# Allegro board CHIP_ALPHA_V_021.brd (continued)
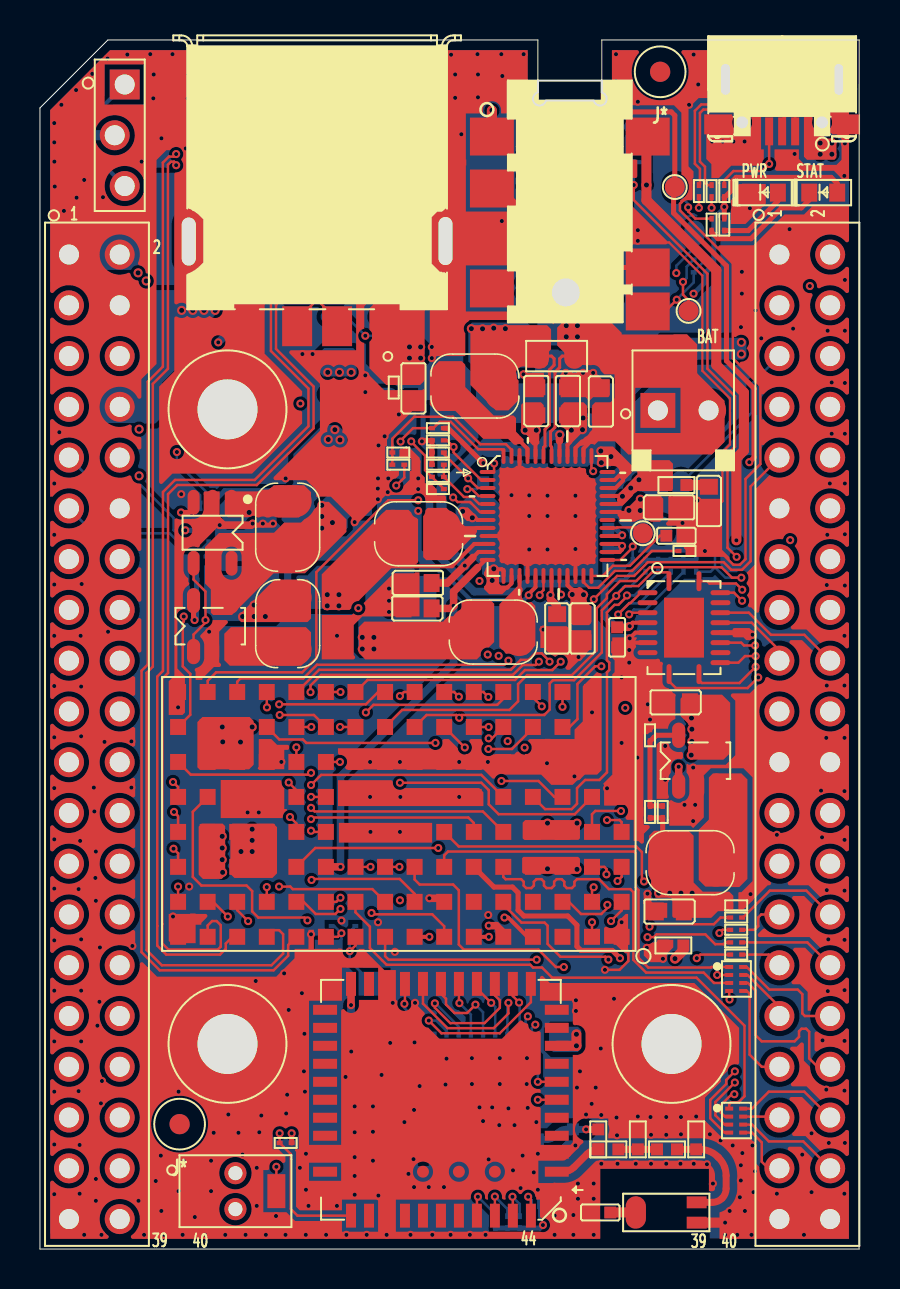
[diagram p0: board, top side]
## Nets (continued)
MICM: C294.2 J11.5 R19.1 U14.10
NMI-N: R16.1 U1.G13 U3.48
OSC24MI: C1.2 U1.A11 X1.1
OSC24MO: C5.2 U1.A10 X1.3
PG4: Q11.2 R206.2 U1.G9
PMU-GPIO1: R414.1 TP7.1 U3.18
POWER-ON: R83.2 SW1.2 U13.10
PWM0: U1.A7 U13.18
RESET-N: C37.2 R17.1 U1.G16 U3.25
RTCVDD: C22.2 R16.2 U3.28
TPX1: U1.B2 U13.13
TPX2: U1.B3 U13.14
TPY1: U1.B1 U13.15
TPY2: U1.A2 U13.16
TS: R12.2 U3.37 U13.6
TV-OUT: C53.2 C56.2 D18.3 J2.3 L9.2 TP10.1
TVOUT: C53.1 C55.2 L9.1 R60.1 U1.A8
TWI0-SCK: R4.2 U1.C12 U3.2
TWI0-SDA: R1.2 U1.E4 U3.1
TWI1-SCK: R3.2 U1.C9 U13.11
TWI1-SDA: R2.2 U1.E2 U13.9
TWI2-SCK: R6.2 U1.H10 U14.26 U27.2
TWI2-SDA: R18.2 U1.H12 U14.25 U27.4
UART1-RX: Q11.3 U14.5
UART1-TX: U1.H15 U14.3
UBOOT: U1.E15 U14.7
USB0-DRV: R74.2 U1.G3 U3.6 U10.4
USB0-IDDET: J4.4 R70.1 U1.G12
USBVBUS: C18.1 C58.2 J4.1 R82.2 U3.31 U10.1
VMIC: R113.2 TP4.1 U1.C6
WL-PMU-EN: R66.1 U1.H11 U9.12
WL-SDIO-CLK: R50.2 U1.E3 U9.17
WL-SDIO-CMD: R51.2 U1.C10 U9.16
WL-SDIO-D0: R49.2 U1.C1 U9.18
WL-SDIO-D1: R48.2 U1.B12 U9.19
WL-SDIO-D2: R53.2 U1.B11 U9.14
WL-SDIO-D3: R52.2 U1.H4 U9.15
XIO-P0: U14.13 U27.10
XIO-P1: U14.14 U27.11
XIO-P2: U14.15 U27.12
XIO-P3: U14.16 U27.14
XIO-P4: U14.17 U27.16
XIO-P5: U14.18 U27.17
XIO-P6: U14.19 U27.19
XIO-P7: U14.20 U27.20
N17860831: C47.1 R45.2 R46.1
N17860849: R46.2 R47.2 U9.2
N18486772: OR4.2 U15.3
N18486828: C64.2 C65.2 J5.1 U15.1
N20314568: L4.2 U3.15
N20314637: L2.2 U3.45
N20314996: R13.2 U3.23
N20315137: L3.2 U3.8
N20749703: R20.1 U3.4
N20819937: C26.2 U3.24
N20828828: TP2.1 U3.29
N21782572: J4.2 R84.1
N21782578: J4.3 R85.1
N21782617: R75.2 U10.3
N21788871: R54.1 R57.2 U11.3
N21788878: D16.1 L8.2 U11.1
N21789427: C67.2 R78.2 R79.1 U12.5
N21789469: L5.2 U12.3
N21789937: C73.2 R14.2 R15.1 U4.5
N21789999: L6.2 U4.3
N21821091: R86.1 U15.4
N21824958: C152.2 Q4.1 R103.1
N21824970: Q4.3 R102.2
N21824972: D2.2 R102.1
N21891079: ANT1.3 C51.1
N21891194: ANT1.2 C48.1 R45.1
N21892133: C79.2 J11.4 R105.1
N21892135: C78.2 J11.2
N21892179: C151.1 R100.2
N21892181: C148.1 R101.2
N21892238: J11.6 R88.1 R414.2
N21892272: C188.2 R113.1 R192.1
N21913519: ANT2.1 C60.1 R61.2
N21918802: C52.1 R47.1 R61.1
N21932331: C35.2 R83.1 U3.47
N21933125: R63.1 U9.7
N21935584: R62.1 U9.13
N203144570: C17.1 R9.1
N203145090: D1.1 R8.1
N217827101: C59.2 R82.1

Pads without a net: ANT2 2; J11 3; J* 1; J*#2 1; J*#3 1; J*#4 1; SW1 3 4; U1 A3 B4 B6; U3 30 36; U9 4 5 8 10 11 21 23 24 25 26 27 28 29 30 32 35 37 38 39 40 45 46 47; U11 6; U27 3 8 13 18 21

## Via types
v1: diameter 0.406, hole 0.203, TOP to BOTTOM, 642 vias
v2: diameter 0.457, hole 0.254, TOP to BOTTOM, 123 vias

## Routing (per net, layer and track width the routed paths; a pad name or vN(x,y) marks a point on that pad's centre or on a via; arc(x,y) is an arc through that point)
AVCC: length 37.1
  TOP w0.203: U3.12 22.29,34.48 21.91,34.1
  TOP w0.381: 21.91,34.1 20.71,32.89 v1(20.71,32.18) 20.58,32.05 C25.1 ; U1.C11 v1(15.04,19.12) ; U4.1 v1(31.97,24.13)
  IN2 w0.381: v1(20.71,32.18) 21.49,32.18 23.47,30.2 27.11,30.2 27.55,29.76 27.55,27.72 31.14,24.13 v1(31.97,24.13)
  BOTTOM w0.381: v1(20.71,32.18) 20.71,29.31 15.04,23.65 v1(15.04,19.12)
GND: length 334.6
  TOP w0.114: C17.2 34.16,37.42 34.16,39.87 34.54,40.25 34.54,42.56 33.16,43.94 33.16,48.7 31.49,50.36 30.01,50.36 v1(29.93,50.44)
  TOP w0.127: U1.A1 29.11,15.19 29.45,14.85 29.45,14.41 29.01,13.97 v1(28.28,13.97) ; C17.2 33.48,35.47 34.71,34.24 35.03,34.24 35.32,34.52 35.32,38.53 36.06,39.28 36.06,43.19 34.68,44.57 34.68,49.32 32.03,51.97 32.03,52.3 32.44,52.7
  TOP w0.203: U3.22 26.8,35.02 v1(26.8,35.03) ; U3.46 24.01,38.33 ; U27.6 29.81,30.84 v1(29.52,30.55) 29.73,30.34 U27.7 ; U3.16 24.4,34.28 ; U3.9 22.96,35.68
  TOP w0.254: C26.1 32.36,35.13 R13.1 v1(33.28,34.92) ; C64.1 16.36,42.8 v1(16.29,42.88) ; v1(30.54,26.49) R14.1 ; v1(18.93,38.02) C152.1 ; U27.15 35.57,30.84 v1(35.67,30.74) ; 35.1,17.2 C72.2 35.23,17.2 35.57,17.53 v1(35.57,17.76) ; U27.9 v1(29.49,29.34) ; v1(18.93,38.56) 18.92,38.56 18.92,39.4 18.47,39.85 C35.1
  TOP w0.381: U1.F10 v1(16.52,24.37) U1.F9 v1(18.02,24.37) U1.F8 U1.F7 v1(20.98,24.37) U1.F6 v1(22.42,24.37) U1.F5 U1.F4 25.32,24.37 v1(25.38,24.31) 25.44,24.37 U1.F3 ; 26.99,43.12 C32.2 26.32,43.23 v1(26.32,43.84) ; 26.99,43.12 C27.1 27.69,43.5 v1(27.69,43.84) ; 26.99,43.12 27.18,43.31 v1(27.18,43.84) ; U9.36 17.37,2.24 v1(16.94,2.67) ; 6.91,15.62 6.91,16.38 v1(6.66,16.64) ; v1(34.18,55.42) 34.18,56.04 J4.10 ; v1(29.5,29.97) 29.02,29.97 C145.1 ; C10.2 24.85,43.12 v1(24.2,43.77) ; v1(30.42,27.25) 30.53,27.36 C71.2 ; D1.2 v1(35.53,52.08) ; v1(24.92,4.77) U9.3 26.39,4.77 v1(26.8,5.18) ; v1(24.92,2.97) U9.1 ; U1.H1 v1(29.11,28.6) ; v1(8.47,30.89) 8.64,30.71 U12.2 ; v1(35.27,55.42) 35.68,55.42 35.85,55.59 J4.5 ; v1(6.91,27.1) 6.91,27.87 ; U1.H2 v1(27.63,26.85) U1.G2 U1.F2 26.91,23.65 v1(26.75,23.65) ; v1(10.95,21.84) 11.35,22.25 U1.E13 ; J4.13 v1(38.35,59.78) ; C25.2 18.02,31.88 v1(17.47,31.88) ; v1(10.65,36.3) 10.57,36.22 v1(9,36.22) 8.64,36.58 U11.2 ; C18.2 32.16,37.1 v1(32.16,36.33) 32.16,35.88 C26.1 ; v1(32.91,37.44) 32.91,37.08 33.25,36.74 C17.2 ; v1(17.96,41.76) 17.96,41.96 18.35,42.35 C65.1 ; C74.2 30.41,17.31 v1(30.41,17.78) ; v1(32.26,22.23) v1(32.8,22.23) 32.92,22.35 U4.2 32.92,23.86 v1(32.7,24.09) ; U9.33 v1(13.31,2.97) ; U1.B7 20.05,17.55 v1(19.49,17.55) ; v1(13.31,4.77) U9.31 ; v1(26.96,29.62) 27.16,29.82 C29.2 C76.2 25.83,30.36 v1(25.2,30.99) ; C47.2 v1(29.93,6.63) ; U1.D8 v1(18.02,20.87) U1.D9 v1(16.54,20.87) U1.D10 ; U9.20 17.37,12.61 v1(17.66,12.32) ; C48.2 v1(32.85,6.63) ; v1(17.47,33.05) 17.75,33.32 C66.1 ; U1.A1 v1(29.11,16.35) ; SW1.1 v1(8.56,2.9) ; U1.F13 v1(12.08,24.37) ; U1.E10 v1(16.52,22.62) U1.E9 v1(18.04,22.62) U1.E8 U1.E7 v1(20.98,22.62) U1.E6 ; R19.2 31.18,15.16 31.18,14.53 v1(31.18,14.52) ; U1.G1 v1(29.11,25.32) U1.F1 ; v1(10.37,47.98) J5.4 ; v1(10.39,21.84) 9.87,22.36 U1.E14
  TOP w0.508: ANT1.1 34.17,1.32
  IN1 w0.114: 29.6,49.23 34.8,49.23 v1(35.13,48.89) 35.86,48.16 37.42,48.16 38.08,47.51 38.08,46.89 37.39,46.2 36.74,46.2 v1(36.1,45.57)
  IN1 w0.127: 5.67,46.46 5.88,46.25 5.88,38.43 5.8,38.35 ; v1(39.63,40.79) 39.5,40.67 36.24,40.67 34.97,39.39 34.97,36.82 33.28,35.13 v1(33.28,34.92) 33.28,34.65 32.83,34.19 32.83,28.98 34.48,27.33 34.48,20.83 ; v1(36.1,45.57) 36,45.47 36,43.69 35.15,42.84 35.15,41.58 33.35,39.79 33.35,37.89 v1(32.91,37.44) 32.91,37.07 v1(32.16,36.33) 31.38,35.55 31.38,28.42 33.06,26.74 33.06,22.48 v1(32.8,22.23) 32.8,21.51 v1(32.69,21.41) 32.17,20.89 25.95,20.89 25.95,20.89 24.67,20.89 22.96,19.18 22.96,17.23 v1(22.44,16.71) 22.05,16.33 22.05,15.47 22.38,15.14 23.55,15.14 24.67,16.26 24.67,18.88 25.26,19.47 33.11,19.47 34.48,20.83 ; v1(18.04,22.62) 18.69,23.27 18.69,31.82 v1(17.47,33.05) 16.82,33.69 8.03,33.69 4.67,37.06 U13.12 ; v1(24.77,49.96) 27.19,49.96 27.92,49.23 29.6,49.23 ; v1(39.41,35.74) 39.28,35.86 36.68,35.86 34.6,33.79 34.6,31.8 v1(35.67,30.74) 35.4,30.47 35.4,28.57 36.03,27.94 36.03,18.22 v1(35.57,17.76) 35.37,17.76 32.48,14.87 32.48,14.24 32.07,13.83 28.42,13.83 v1(28.28,13.97) 28.06,14.19 28.06,14.64 28.49,15.07 v1(30.38,15.07) 30.53,15.07 34.48,19.02 34.48,20.83 ; 6.61,39.52 6.46,39.67 6.46,40.16 6.56,40.26
  BOTTOM w0.127: 28.6,51.1 28.38,51.33 28.38,51.38
  BOTTOM w0.203: C151.2 v1(24.9,53.29) ; C148.2 v1(26.8,53.29) ; R105.2 v1(26.17,55.45)
  BOTTOM w0.254: v1(13.57,15.75) 13.57,15.93 13.8,16.15 C1.1 ; R60.2 v1(11,50.65) ; C5.1 16.72,16.15 v1(16.92,16.35) ; C55.1 11.05,50.01 v1(11,50.06) ; v1(11.54,52.43) 11.49,52.38 C56.1 ; C58.1 v1(17.78,50.69) ; R57.1 7.84,37.17 R12.1 v1(7.07,37.77)
  BOTTOM w0.381: v1(13.11,12.8) 13.58,13.27 X1.4 ; D18.1 13.61,55.28 v1(13.22,55.68) ; v1(26.83,12.45) v1(26.83,11.91) 26.77,11.85 C45.1 ; C24.2 26.83,35.05 v1(26.8,35.03) ; C57.2 13.03,44.88 v1(13.14,44.78) v1(13.64,44.78) ; v1(16.29,43.71) U15.2 ; v1(15.58,9.88) 15.63,9.93 C49.1 ; C11.2 25.99,44.55 26.32,44.22 v1(26.32,43.84) ; C50.2 17.39,10.45 v1(17.53,10.31) ; C52.2 27.08,6.99 v1(27.33,6.73) ; X1.2 v1(17.76,14.87) ; C60.2 v1(22.46,4.49) ; U10.2 16.44,47.6 v1(16.24,47.8) v1(15.73,47.8) ; C59.1 14.99,50.33 v1(14.36,50.95) ; C12.2 27.74,43.89 v1(27.69,43.84) v1(27.18,43.84)
  vias: v1(0.72,56.34) v1(0.72,55.37) v1(0.72,54.41) v1(0.74,53.16) v1(0.72,38.3) v1(0.72,35.74) v1(0.72,33.25) v1(0.72,30.68) v1(0.72,28.17) v1(0.72,25.6) v1(0.72,23.06) v1(0.72,20.5) v1(0.72,18.03) v1(0.72,15.44) v1(0.72,12.93) v1(0.72,10.39) v1(0.72,7.87) v1(0.72,5.23) v1(0.72,2.74) v1(0.97,40.87) v1(1.07,57.25) v1(1.2,51.94) v1(1.81,57.99) v1(1.83,52.6) v1(1.93,18.01) v1(1.93,7.9) v1(1.99,5.21) v1(1.99,2.77) v1(2.09,33.27) v1(2.04,30.68) v1(2.06,28.14) v1(2.06,25.65) v1(2.01,20.42) v1(2.06,15.49) v1(2.06,12.93) v1(2.06,10.39) v1(2.21,53.49) v1(2.21,0.71) v1(2.62,58.8) v1(2.7,23.09) v1(2.72,21.89) v1(2.8,19.89) v1(2.77,18.57) v1(2.8,17.42) v1(2.8,3.51) v1(2.8,2.41) v1(2.87,11.18) v1(3,15.09) v1(2.98,12.37) v1(3.05,7.29) v1(3.08,0.71) v1(3.15,52.63) v1(3.1,8.41) v1(3.23,25.37) v1(3.38,59.56) v1(3.41,30.89) v1(4.37,59.77) v1(4.58,25.4) v1(4.58,23.09) v1(4.63,15.16) v1(4.93,2.41) v1(5.09,54.41) v1(5.21,0.71) v1(5.52,59.78) v1(5.69,58.77) v1(5.67,57.57) v1(5.8,3.4) v1(6.08,55.58) v1(6.05,4.67) v1(6.08,1.91) v1(6.2,0.71) v1(6.63,59.78) v1(6.94,7.87) v1(6.94,2.9) v1(7.19,4.42) v1(7.14,0.71) v1(7.3,55.07) v1(7.4,57.57) v1(7.42,58.77) v1(7.47,18.14) v1(7.73,59.78) v1(7.75,1.6) v1(8.26,0.71) v1(8.54,55.7) v1(8.56,4.42) v1(8.7,5.82) v1(8.95,59.78) v1(9.2,58.77) v1(9.2,57.6) v1(9.28,0.71) v1(9.43,6.73) v1(9.68,55.14) v1(9.94,5.82) v1(10.06,53.85) v1(10.14,4.72) v1(10.29,0.71) v1(10.32,59.78) v1(10.8,13.41) v1(10.88,47.98) v1(10.85,4.06) v1(10.85,2.16) v1(10.98,5.84) v1(11.08,6.68) v1(11.18,58.77) v1(11.18,57.6) v1(11.16,36.3) v1(11.31,55.7) v1(11.38,47.98) v1(11.31,0.71) v1(11.61,59.78) v1(11.66,36.3) v1(11.82,1.65) v1(12.04,55.19) v1(12.3,38.56) v1(12.22,13.79) v1(12.29,0.71) v1(12.37,7.72) v1(12.32,6.78) v1(12.48,58.77) v1(12.48,57.6) v1(12.45,11.96) v1(12.7,52.58) v1(13.01,59.78) v1(13.01,4.06) v1(13.11,53.85) v1(13.24,10.77) v1(13.21,8.89) v1(13.26,7.87) v1(13.31,0.71) v1(13.44,2.16) v1(13.97,58.77) v1(13.97,57.6) v1(14.32,0.71) v1(14.58,59.78) v1(14.87,30.68) v1(14.86,2.16) v1(15.09,16.43) v1(15.3,8.61) v1(15.33,53.24) v1(15.34,0.71) v1(15.5,58.77) v1(15.5,57.6) v1(15.45,55.7) v1(15.75,36.37) v1(15.75,7.14) v1(15.75,5.84) v1(15.75,4.6) v1(15.75,3.66) v1(15.75,2.72) v1(16.04,53.92) v1(16.1,59.78) v1(16.35,0.71) v1(16.46,55.17) v1(16.67,7.14) v1(16.67,5.87) v1(16.67,4.42) v1(16.92,58.77) v1(16.92,57.6) v1(16.95,40.21) v1(16.92,38.56) v1(16.91,38.05) v1(16.92,37.52) v1(17.1,8.71) v1(17.25,40.67) v1(17.35,0.71) v1(17.43,38.56) v1(17.41,37.87) v1(17.47,32.44) v1(17.66,59.78) v1(17.64,55.65) v1(18.24,58.77) v1(18.24,57.6) v1(18.24,6.35) v1(18.44,3.76) v1(18.55,0.71) v1(18.7,4.5) v1(18.78,12.32) v1(18.75,10.34) v1(18.72,6.96) v1(18.72,3.1) v1(18.95,59.78) v1(18.93,36.93) v1(19,8.15) v1(19.46,3.1) v1(19.51,58.77) v1(19.51,57.6) v1(19.52,55.78) v1(19.61,45.14) v1(19.61,44.58) v1(19.64,0.71) v1(20.3,8.23) v1(20.22,3.1) v1(20.35,9.53) v1(20.58,59.76) v1(20.55,0.71) v1(20.78,58.77) v1(20.78,57.6) v1(21.09,55.78) v1(21.52,0.71) v1(21.62,9.55) v1(21.62,8.26) v1(21.9,59.78) v1(21.92,58.77) v1(21.92,57.62) v1(22,7.09) v1(22.18,6.4) v1(22.31,0.71) v1(22.64,7.09) v1(22.99,6.2) v1(23.09,59.78) v1(23.02,9.55) v1(23.02,8.26) v1(23.14,58.69) v1(23.12,51.43) v1(23.45,7.04) v1(23.6,37.72) v1(23.68,3.94) v1(23.75,6.2) v1(24.06,50.62) v1(24.06,3.05) v1(24.16,58.32) v1(24.16,4.67) v1(24.21,59.78) v1(24.21,57.23) v1(24.38,9.55) v1(24.36,8.26) v1(24.49,37.71) v1(24.49,36.68) v1(24.49,35) v1(24.41,7.06) v1(24.7,55.45) v1(24.72,3.84) v1(24.85,6.35) v1(25.4,37.69) v1(25.4,36.68) v1(25.4,35) v1(25.58,56.49) v1(25.76,1.68) v1(25.76,0.71) v1(26.55,56.49) v1(26.7,1.7) v1(26.7,0.71) v1(26.8,37.69) v1(26.8,36.68) v1(26.88,8.08) v1(26.93,3.28) v1(26.93,2.51) v1(27.03,8.89) v1(27.46,56.49) v1(27.61,7.26) v1(27.72,3.28) v1(27.72,2.51) v1(27.72,0.71) v1(27.85,55.45) v1(27.82,8.08) v1(28.07,10.03) v1(28.1,6.71) v1(28.1,4.27) v1(28.38,23.05) v1(28.73,12.52) v1(28.83,59.78) v1(28.83,58.42) v1(28.81,57.3) v1(28.86,6.58) v1(28.88,5.69) v1(28.91,4.27) v1(29.9,24.59) v1(29.82,4.27) v1(29.93,57.4) v1(29.93,50.98) v1(30.56,6.6) v1(30.59,5.71) v1(30.59,4.27) v1(31.3,25.17) v1(31.3,23.48) v1(31.35,6.6) v1(31.35,5.71) v1(31.35,4.27) v1(32.08,6.6) v1(32.08,5.74) v1(32.06,4.27) v1(32.49,57.25) v1(32.72,59.77) v1(32.72,4.27) v1(32.95,58.27) v1(33.39,4.24) v1(33.53,5.74) v1(33.64,55.42) v1(33.68,3.28) v1(33.74,59.78) v1(34.07,5.44) v1(34.29,1.32) v1(34.29,0.71) v1(34.52,1.91) v1(34.68,5.18) v1(34.71,55.42) v1(34.95,59.78) v1(34.9,0.71) v1(35.09,46.13) v1(35.08,4.19) v1(35.08,3.43) v1(35.03,2.59) v1(35.13,47.8) v1(35.16,4.8) v1(35.29,1.91) v1(35.67,5.18) v1(35.62,0.71) v1(35.79,3.89) v1(35.72,2.84) v1(35.82,46.96) v1(36.07,59.78) v1(36.89,20.73) v1(36.89,2.77) v1(37.24,59.78) v1(37.52,51.03) v1(37.7,46.05) v1(37.77,54.79) v1(38.16,4.72) v1(38.24,0.71) v1(38.39,57.14) v1(38.62,5.79) v1(38.62,2.84) v1(39.1,22.94) v1(39.15,20.6) v1(39.17,10.44) v1(39.38,57.14) v1(39.38,33.22) v1(39.38,28.19) v1(39.36,25.58) v1(39.38,17.96) v1(39.36,7.98) v1(39.43,45.95) v1(39.46,15.49) v1(39.43,12.9) v1(39.49,5.31) v1(39.53,59.78) v1(39.54,38.3) v1(39.63,43.36) v1(40.29,57.12) v1(40.29,55.32) v1(40.26,53.7) v1(40.29,48.49) v1(40.29,45.95) v1(40.29,43.33) v1(40.29,40.79) v1(40.29,38.3) v1(40.29,35.76) v1(40.29,33.2) v1(40.27,30.68) v1(40.27,28.19) v1(40.27,25.58) v1(40.27,22.91) v1(40.27,20.47) v1(40.27,17.93) v1(40.27,15.47) v1(40.27,12.95) v1(40.27,10.41) v1(40.27,7.92) v1(40.29,5.31) v1(40.26,2.77)
VBAT-EXT: length 5.9
  TOP w0.152: R7.2 25.61,44.68 25.73,44.55 25.73,44.23 25.5,43.99 25.5,41.23 25.28,41.01 25.28,40.18 25.2,40.11 U3.43
  vias: v2(21.59,46.05) v2(22.15,46.04) v2(22.71,46.08) v2(23.3,46.05)
VCC-1V8: length 31.5
  TOP w0.203: U3.19 25.61,32.78 v1(25.55,32.72)
  TOP w0.381: v1(25.55,32.72) 25.55,32.52 25.89,32.18 C76.1
  IN2 w0.381: v1(25.55,32.72) 25.55,32.92 22.45,36.02 22.45,38.32 21.43,39.34 5.86,39.34 4.3,40.89 2.7,40.89 U13.7
VCC-3V3: length 131.7
  TOP w0.203: U27.5 29.67,31.34 29.49,31.17
  TOP w0.254: R65.2 v1(12.6,5.79) ; R8.2 v1(34.25,52.15) R70.2 34.28,52.63 34.62,52.97 34.62,53.39 34.85,53.62 39.6,53.62 39.91,53.31 D2.1 ; v1(19.12,40.41) 19.17,40.46 R4.1 R11.2 R10.2
  TOP w0.381: v1(29.52,31.17) 29.49,31.17 29.44,31.11 C145.2 ; U9.22 v1(15.57,12.2)
  IN1 w0.254: v1(25.18,1.2) 17.75,1.2 16.21,2.74 16.21,11.56 v1(15.57,12.2)
  IN1 w0.381: v1(15.57,12.2) 15.57,12.23 9.14,18.66 v2(9.14,18.85) ; v1(13.03,42.3) 18.15,42.3 19.12,41.34 v1(19.12,40.41)
  IN2 w0.254: v1(15.57,12.2) 14.81,11.45 14.81,8.01 v1(12.6,5.79) ; v1(32.72,47.8) 32.72,45.34 29.79,42.42 29.79,41.25 30.79,40.25 30.79,37.65 30.81,37.63 30.81,32.42 29.55,31.17 v1(29.52,31.17)
  BOTTOM w0.203: Q11.1 32.85,35.83 R206.1 R18.1 R6.1 R1.1 R87.2 30.27,34.49 R17.2 29.26,33.48 28.71,33.48 28.25,33.02
  BOTTOM w0.254: C50.1 17.9,11.85 19.62,10.13 R48.1 R66.2 R53.1 R51.1 R50.1 R52.1 R49.1 ; v1(19.12,40.41) 19.18,40.47 R86.2 ; R3.1 R2.1 v1(7.27,35.96) ; v1(34.25,52.15) 34.25,52.08 33.73,51.55 33.73,49.27 R88.2 33.32,48.41 v1(32.72,47.8) ; v1(25.18,1.2) 25.02,1.05 R59.1 R56.1 R55.1 R58.1
  BOTTOM w0.381: C50.1 16.44,11.52 C49.2 15.57,11.58 v1(15.57,12.2) ; v1(19.12,40.41) 19.5,40.03 19.5,35.13 21.74,32.89 23.88,32.89 24.28,33.3 27.98,33.3 28.25,33.02 28.25,31.7 28.79,31.17 v1(29.52,31.17) ; D18.2 13.83,52.98 13.83,49.82 13.57,49.57 11.2,49.57 9.85,48.22 9.85,46.29 v1(8.93,45.36)
  vias: v2(4.96,41.02) v2(4.96,38.68) v2(9.12,20.65) v2(9.12,20.07) v2(9.12,19.48) v2(10.14,31.65) v2(10.72,32.22) v2(10.72,31.65) v2(11.28,31.65)
VCC-5V: length 4.5
  BOTTOM w0.254: 12.6,37.95 9.25,37.95 8.47,37.17 R54.2
  vias: v2(4.91,48.84) v2(5.32,48.44) v2(12.6,48.54) v2(13.16,48.54) v2(13.72,48.54) v2(14.41,43.87) v2(14.43,40.51) v2(14.76,41) v2(14.99,43.87) v2(15.02,40.48) v2(15.57,43.87) v2(24.17,54.84) v2(24.17,54.28) v2(24.17,53.72) v2(24.17,53.16)
VCC-WIFI: length 54.3
  TOP w0.508: U9.9 v2(26.85,10.17) v2(26.85,10.74)
  VCC w0.762: v2(26.85,10.74) v2(26.85,10.17) 29.44,7.58 33.81,7.58 34.35,7.04 35.34,7.04 36.14,7.84 37.58,7.84 38.28,8.53 38.28,42.7 37.56,43.42 36.42,43.42 35.11,44.73 v2(35.11,44.78) v2(35.11,45.36)
VINT: length 2.5
  TOP w0.203: U3.26 29.01,34.88 29.14,35 v1(29.14,35.18) 29.04,35.28 U3.27
  BOTTOM w0.203: v1(29.14,35.18) 29.01,35.05 C24.1
ACIN-5V: length 1.1
  TOP w0.203: U3.33 28.96,37.68 ; U3.32 28.96,37.28
  vias: v2(8.97,51.05) v2(8.97,50.5) v2(8.97,49.94) v2(8.97,49.38) v2(24.11,48.39) v2(24.11,47.83) v2(24.67,48.39) v2(24.67,47.83) v2(29.16,37.66) v2(29.57,38.07) v2(29.98,38.49)
AP-EINT1: length 32.8
  TOP w0.127: U1.H14 9.87,28.39 10.04,28.55 13.18,28.55 13.87,29.24 23.25,29.24 v1(23.45,29.44)
  IN2 w0.127: U14.23 32.06,21.82 27.17,26.71 27.17,28.85 26.24,29.78 23.79,29.78 v1(23.45,29.44)
AP-EINT2: length 39.7
  TOP w0.127: U1.G8 19.35,26.72 20.85,26.72 v1(20.98,26.58) 21.12,26.72 25.24,26.72 25.51,26.99 25.51,28.3 25.68,28.46 26.73,28.46 28.12,29.85 28.12,31.95 v1(28.85,32.68) 28.85,32.72 29.29,33.17 29.95,33.17 30.64,33.86 31.41,33.86 31.49,33.78 U27.1
  IN2 w0.127: v1(20.98,26.58) 22.56,26.58 22.85,26.28 22.85,23.99 21.96,23.09 21.96,15.39 24.81,12.53 24.81,11.25 v1(24.79,11.23)
  BOTTOM w0.127: R63.2 24.62,11.05 v1(24.79,11.23) ; R87.1 29.55,33.13 29.23,33.13 28.85,32.75 v1(28.85,32.68)
AP-EINT3: length 53.1
  TOP w0.127: v1(13.57,23.83) 13.48,23.74 7.55,23.74 6.91,24.37
  IN1 w0.127: U14.24 38.39,20.66 38.39,16.05 37.73,15.39 34.63,15.39 32.2,12.95 25.73,12.95 v1(24.42,11.64) 23.56,10.78 17.56,10.78 12.98,15.36 12.98,23.24 v1(13.57,23.83)
  BOTTOM w0.127: v1(24.42,11.64) 24.31,11.53 24.31,10.43 R62.2
AP-UART1-CTS: length 33.8
  TOP w0.127: v1(21.92,2.62) 21.87,2.57 U9.41 ; U1.G5 22.62,25.55 v1(22.46,25.55)
  IN2 w0.127: v1(21.92,2.62) 21.36,2.06 18.47,2.06 17.33,3.2 17.33,7.84 20.58,11.09 20.58,24.97 21.16,25.55 v1(22.46,25.55)
  BOTTOM w0.127: R58.2 22.79,1.75 v1(21.92,2.62)
AP-UART1-RTS: length 36.9
  TOP w0.127: U9.44 24.57,2.48 v1(24.44,2.62) ; U1.G6 v1(22.46,26.12)
  IN2 w0.127: v1(22.46,26.12) 21.37,26.12 20.33,25.08 20.33,11.2 17.07,7.94 17.07,3.1 18.37,1.8 23.63,1.8 v1(24.44,2.62)
  BOTTOM w0.127: R59.2 24.62,2.44 v1(24.44,2.62)
AP-UART1-RX: length 33.1
  TOP w0.127: v1(21.26,25.1) 20.24,26.12 U1.G7 ; U9.42 v1(22.77,2.63)
  IN2 w0.127: v1(21.26,25.1) 21.4,24.96 21.4,11.55 17.58,7.73 17.58,3.31 18.58,2.31 21.04,2.31 21.76,3.02 22.37,3.02 v1(22.77,2.63)
  BOTTOM w0.127: R55.2 23.4,2 v1(22.77,2.63)
AP-UART1-TX: length 35.4
  TOP w0.127: U9.43 23.67,2.6 v1(23.65,2.62) ; v1(22.45,25.02) 23.63,25.02 24.67,26.07 U1.G4
  IN2 w0.127: v1(23.65,2.62) 22.99,3.28 21.65,3.28 20.94,2.57 18.69,2.57 17.84,3.42 17.84,7.63 22.19,11.98 22.19,12.49 21.7,12.98 21.7,24.27 v1(22.45,25.02)
  BOTTOM w0.127: v1(23.65,2.62) 24.01,2.26 R56.2
AP-WAKE-BT: length 37.6
  TOP w0.127: R11.1 20.22,39.78 v1(21.43,38.56) 21.92,38.08 U3.3 ; U9.6 v1(24.92,7.47)
  IN1 w0.127: v1(22,33.43) 21.67,33.1 21.67,29.13 23.41,27.39 v1(23.41,25.41)
  IN2 w0.127: v1(23.41,25.41) 23.41,25.38 24.55,24.25 24.55,15.71 23.96,15.13 23.96,13.74 24.52,13.18 25.07,12.63 25.32,12.39 25.32,7.86 v1(24.92,7.47) ; v1(22,33.43) 22.06,33.49 22.06,37.93 v1(21.43,38.56)
BAT: length 7.5
  TOP w0.152: R7.1 26.14,44.68 26.01,44.55 26.01,44.11 25.78,43.88 25.78,41.11 25.56,40.89 25.56,40.18 25.61,40.13 U3.42
  TOP w0.203: 27.46,40.31 27.21,40.05 U3.38 ; 27.13,40.41 26.8,40.08 U3.39
  vias: v2(7.09,46.96) v2(7.65,46.96) v2(8.21,46.96) v2(8.77,46.96) v2(26.34,46.2) v2(26.34,45.64) v2(26.9,46.2) v2(26.9,45.64)
BT-RST-N: length 27.7
  TOP w0.127: v1(12,5.79) R65.1 12.55,4.75 12.55,2.01 12.89,1.67 U9.34 ; U1.F11 v1(15.02,24.37)
  IN2 w0.127: v1(12,5.79) 14.5,8.29 14.5,23.85 v1(15.02,24.37)
COREVDD: length 7
  TOP w0.203: U3.17 24.81,33.11 24.46,32.77 v1(24.46,32.72)
  BOTTOM w0.203: 19.08,33.51 20.53,33.51 21.56,32.47 24.22,32.47 v1(24.46,32.72)
  vias: v2(10.06,19.89) v2(10.62,21.01) v2(10.62,20.45) v2(10.62,19.89) v2(16.13,30.61) v2(16.13,30.02) v2(16.72,30.6) v2(16.72,30.02)
CPUVDD: length 8.8
  TOP w0.203: L3.1 17.65,34.57 18.06,34.16 20.62,34.16 21.74,35.28 U3.10
  TOP w0.381: v2(10.62,26.12) U1.G14 9.87,26.12 U1.G15
  vias: v2(9.13,26.12) v2(9.15,25.37) v2(10.04,25.37) v2(14.38,32.74) v2(14.38,32.18) v2(14.97,32.74) v2(14.97,32.18)
CSI-D0: length 23.7
  TOP w0.127: U1.C2 28.25,19.12 28.36,19.01 v1(28.36,18.75) ; RN1.2 v1(33.9,13.71)
  IN2 w0.127: v1(33.9,13.71) 33.9,13.48 33.97,13.41 34.59,13.41 34.78,13.23 34.78,13.05 34.63,12.9 34.02,12.9 33.9,12.78 33.9,11.99 33.74,11.84 33.51,11.84 33.39,11.96 33.39,13.16 33.23,13.31 32.34,13.31 32.22,13.43 32.22,13.71 32.35,13.84 33.41,13.84 33.66,14.1 33.66,14.34 31.13,16.88 29.98,16.88 29.38,17.48 28.73,17.48 28.6,17.6 28.6,17.86 28.73,17.99 29.19,17.99 29.32,18.11 29.32,21.06 29.19,21.18 28.94,21.18 28.81,21.06 28.81,18.92 28.64,18.75 v1(28.36,18.75)
CSI-D1: length 20.3
  TOP w0.127: RN1.1 33.61,14.11 33.59,14.08 30.45,14.08 29.96,14.57 29.96,17.96 29.82,18.09 29.82,19.81 29.74,19.89 20.43,19.89 20.23,19.7 U1.C7
CSI-D2: length 21.1
  TOP w0.127: v1(28.38,21.46) 29.01,21.46 29.11,21.36 U1.D1 ; RN1.4 34.5,12.5 v1(34.51,12.48)
  IN2 w0.127: v1(28.38,21.46) 29.42,21.46 29.58,21.31 29.58,17.64 30.09,17.13 31.23,17.13 35.09,13.28 35.09,9.63 34.93,9.47 34.71,9.47 34.51,9.67 v1(34.51,12.48)
CSI-D3: length 17.8
  TOP w0.127: U1.C5 23.19,18.62 23.31,18.5 24.09,18.5 24.21,18.38 24.21,18.19 24.34,18.06 24.59,18.06 24.72,18.19 24.72,18.38 24.85,18.5 25.1,18.5 25.23,18.38 25.23,18.19 25.36,18.06 25.61,18.06 25.74,18.19 25.74,18.38 25.86,18.5 26.12,18.5 26.24,18.38 26.24,18.19 26.37,18.06 26.63,18.06 26.75,18.19 26.75,18.38 26.88,18.5 27.98,18.5 28.48,18.01 29.55,18.01 29.7,17.85 29.7,14.47 30.34,13.83 33.22,13.83 33.74,13.31 RN1.3
CSI-D4: length 33.4
  TOP w0.127: RN2.2 34.28,6.63 34.06,6.85 34.06,7.18 34.62,7.75 v1(34.76,7.75) ; v1(20.97,27.64) 20.73,27.87 U1.H7
  IN2 w0.127: v1(20.97,27.64) 21.37,27.23 22.68,27.23 24.8,25.11 24.8,15.6 24.22,15.02 24.22,14.07 25.2,13.08 31.91,13.08 34.26,10.73 34.26,8.24 v1(34.76,7.75)
CSI-D5: length 27.6
  TOP w0.127: RN2.1 34.5,7.23 34.6,7.34 34.96,7.34 35.26,7.65 35.26,11.18 32.86,13.58 25.64,13.58 25.13,14.08 24.68,14.08 24.54,14.22 17.35,14.22 17.12,14.45 16.51,15.06 16.51,16.13 15.79,16.85 U1.B10
CSI-D6: length 23.2
  TOP w0.127: RN2.4 34.26,5.83 33.55,6.54 33.55,7.46 34.35,8.26 34.35,8.46 v1(34.78,8.89) ; v1(29.08,21.92) 29.09,21.92 27.8,21.92 27.63,21.76 U1.D2
  IN2 w0.127: v1(34.78,8.89) 35.34,9.45 35.34,13.38 31.34,17.39 30.19,17.39 29.83,17.75 29.83,21.42 29.33,21.92 v1(29.08,21.92)
CSI-D7: length 28.8
  TOP w0.127: v1(34.78,8.33) 33.81,7.36 33.81,6.69 34.27,6.23 RN2.3 ; v1(30.24,18.39) 30.13,18.5 30.13,19.86 29.85,20.14 20.96,20.14 U1.D7
  IN2 w0.127: v1(34.78,8.33) 35.6,9.14 35.6,13.49 33.08,16 33.08,17.98 32.67,18.39 v1(30.24,18.39)
CSI-HSYNC: length 27.4
  TOP w0.127: U1.H6 22.2,27.87 v1(22.44,27.62) ; v1(32.88,14.55) 33.06,14.73 R40.1
  IN2 w0.127: v1(22.44,27.62) 22.64,27.62 25.82,24.44 25.82,16.12 24.47,14.76 24.47,14.17 25.29,13.35 31.44,13.35 32.65,14.55 v1(32.88,14.55)
CSI-MCLK: length 25.1
  TOP w0.127: v1(26.22,14.11) 25.82,14.11 24.95,14.99 21.21,14.99 20.96,15.23 20.96,17.95 20.68,18.24 19.01,18.24 18.75,18.49 U1.C8 ; v1(30.51,16.13) 30.63,16.25 33.73,16.25 34.07,16.59 R43.2
  IN2 w0.127: v1(26.22,14.11) 26.22,15.8 26.37,15.95 26.6,15.95 26.73,15.82 26.73,14.22 26.84,14.11 27.1,14.11 27.24,14.25 27.24,15.52 27.56,15.84 29.87,15.84 30.16,16.13 v1(30.51,16.13)
CSI-PCLK: length 28.3
  TOP w0.127: v1(26.15,27.13) U1.H3 ; v1(34.01,15.81) 34.17,15.97 R41.1
  IN2 w0.127: v1(26.15,27.13) 26.15,28.2 25.98,28.37 25.74,28.37 25.66,28.3 25.58,28.22 25.58,26.84 35.07,17.35 35.87,17.35 36.03,17.2 36.03,16.97 35.9,16.84 34.55,16.84 34.43,16.71 34.43,16.43 34.53,16.33 35.75,16.33 35.93,16.15 35.93,14.66 35.8,14.53 35.54,14.53 35.42,14.66 35.42,15.72 35.32,15.82 35.06,15.82 34.93,15.7 34.93,15.32 34.81,15.19 34.61,15.19 34.43,15.37 34.43,15.65 34.26,15.81 v1(34.01,15.81)
CSI-VSYNC: length 21.4
  TOP w0.127: v1(30.41,15.61) 30.73,15.61 30.87,15.74 33.31,15.74 33.8,15.25 34.22,15.25 34.31,15.34 R39.1 ; v1(24.86,14.48) 17.45,14.48 17.28,14.66 17.28,15.62 U1.A9
  IN2 w0.127: v1(24.86,14.48) 25.1,14.48 25.21,14.58 25.21,14.82 25.32,14.94 25.56,14.94 25.71,14.78 25.71,13.9 26.01,13.6 27.25,13.6 27.25,13.6 27.31,13.6 27.75,14.04 27.75,15.06 28.02,15.33 30.08,15.33 30.35,15.61 v1(30.41,15.61)
CSICK: length 5.5
  TOP w0.127: R43.1 35.19,16.59 36.53,17.93 38.36,17.93 U14.28
CSID0: length 2.9
  TOP w0.127: U14.31 37.01,12.12 35.42,13.71 RN1.7
CSID1: length 5.9
  TOP w0.127: U14.32 38.29,11.66 38.16,11.79 38.16,12.75 37.93,12.98 36.51,12.98 35.38,14.11 RN1.8
CSID2: length 5.2
  TOP w0.127: RN1.5 35.38,12.91 35.52,12.78 35.52,9.73 36.13,9.12 U14.33
CSID3: length 8.9
  TOP w0.127: U14.34 38.92,9.12 38.5,9.54 38.5,10.87 38.35,11.02 38.12,11.02 38,10.9 38,10.62 37.77,10.39 36.13,10.39 35.82,10.69 35.82,12.92 35.43,13.31 RN1.6
CSID4: length 1.8
  TOP w0.127: RN2.7 36.96,6.63 U14.35
CSID5: length 5.2
  TOP w0.127: RN2.8 35.64,7.03 36.48,7.87 38.26,7.87 U14.36
CSID6: length 3.1
  TOP w0.127: U14.37 36.46,4.04 36.13,4.37 36.13,5.33 35.64,5.83 RN2.5
CSID7: length 5.3
  TOP w0.127: U14.38 38.21,5.38 36.48,5.38 35.64,6.23 RN2.6
CSIHSYNC: length 2.1
  TOP w0.127: U14.29 36.48,14.73 R40.2
CSIPCK: length 2.4
  TOP w0.127: U14.27 36.1,16.74 35.95,16.59 35.95,16.15 35.77,15.97 R41.2
CSIVSYNC: length 4.9
  TOP w0.127: R39.2 38.41,15.34 U14.30
DM0: length 78.5
  TOP w0.127: U1.A12 12.43,15.21 12.43,14.68 11.69,13.94 6,13.94 5.08,14.86 5.08,28.93 5.39,29.24 5.39,43.39 6.15,44.15 6.15,54.36 6.46,54.66 6.69,54.66 v1(6.82,54.79) ; R84.2 v1(32.98,52.1)
  IN1 w0.127: v1(32.98,52.1) 33.11,51.97 33.11,51.75 33.02,51.66 23.87,51.66 20.89,54.65 6.96,54.65 v1(6.82,54.79)
DM1: length 47.8
  TOP w0.127: U1.A14 9.64,15.62 9.3,15.29 9.3,15.02 9.01,14.73 6.32,14.73 5.87,15.18 5.87,16.17 5.87,28.64 6.16,28.93 6.16,37.88 6.76,38.48 10.75,38.48 13.44,41.17 13.44,43.05 11.56,44.93 11.56,47.35 12.15,47.93 13.72,47.93 14,47.65 14,47.37 14.87,46.5 J5.2
DP0: length 79
  TOP w0.127: v1(6.82,54.23) 6.82,54.31 6.72,54.41 6.56,54.41 6.41,54.25 6.41,44.04 5.65,43.29 5.65,29.14 5.34,28.83 5.34,14.96 6.1,14.2 11.59,14.2 12.17,14.78 12.17,15.75 11.97,15.95 11.52,15.95 11.35,15.79 U1.A13 ; R85.2 v1(33.62,52.1)
  IN1 w0.127: v1(6.82,54.23) 6.96,54.37 20.77,54.37 23.76,51.38 33.13,51.38 33.39,51.64 33.39,52.02 33.46,52.1 v1(33.62,52.1)
DP1: length 47.7
  TOP w0.127: U1.A15 8.39,16.19 8.62,16.41 8.84,16.41 9.05,16.21 9.05,15.13 8.91,14.99 6.43,14.99 6.13,15.29 6.13,16.27 6.13,28.54 6.41,28.82 6.41,37.77 6.87,38.23 10.85,38.23 13.7,41.07 13.7,43.16 11.82,45.04 11.82,47.24 12.25,47.68 13.62,47.68 13.75,47.55 13.75,47.37 12.87,46.5 J5.3
DRAM-VCC: length 3.6
  TOP w0.254: R15.2 C73.1 31.17,19.4
  TOP w0.381: U1.C3 26.76,19.12 v2(26.88,19)
  vias: v2(25.4,21.31) v2(25.4,19.02) v2(26.88,21.31) v2(30.97,17.8) v2(31.53,17.8) v2(32.08,17.81) v2(32.64,17.81)
EARCON: length 23.2
  TOP w0.508: J11.1 v2(22.62,56.97)
  IN1 w0.508: J2.2 4.14,55.73 5.39,56.97 v2(22.62,56.97)
  BOTTOM w0.127: TP9.1 1.86,55.14
  BOTTOM w0.508: J2.2 TP9.1
EARMIC: length 31.7
  IN1 w0.203: v1(28.96,55.83) 28.91,55.88 24.77,55.88 23.65,57 23.65,57.28 22.66,58.27 J2.1
  BOTTOM w0.203: TP8.1 2.62,56.64 J2.1 ; C294.1 C54.2 R192.2 28.96,54.5 v1(28.96,55.83)
